# KiCad board motordecoder2-k3066v3-p.kicad_pcb (continued)
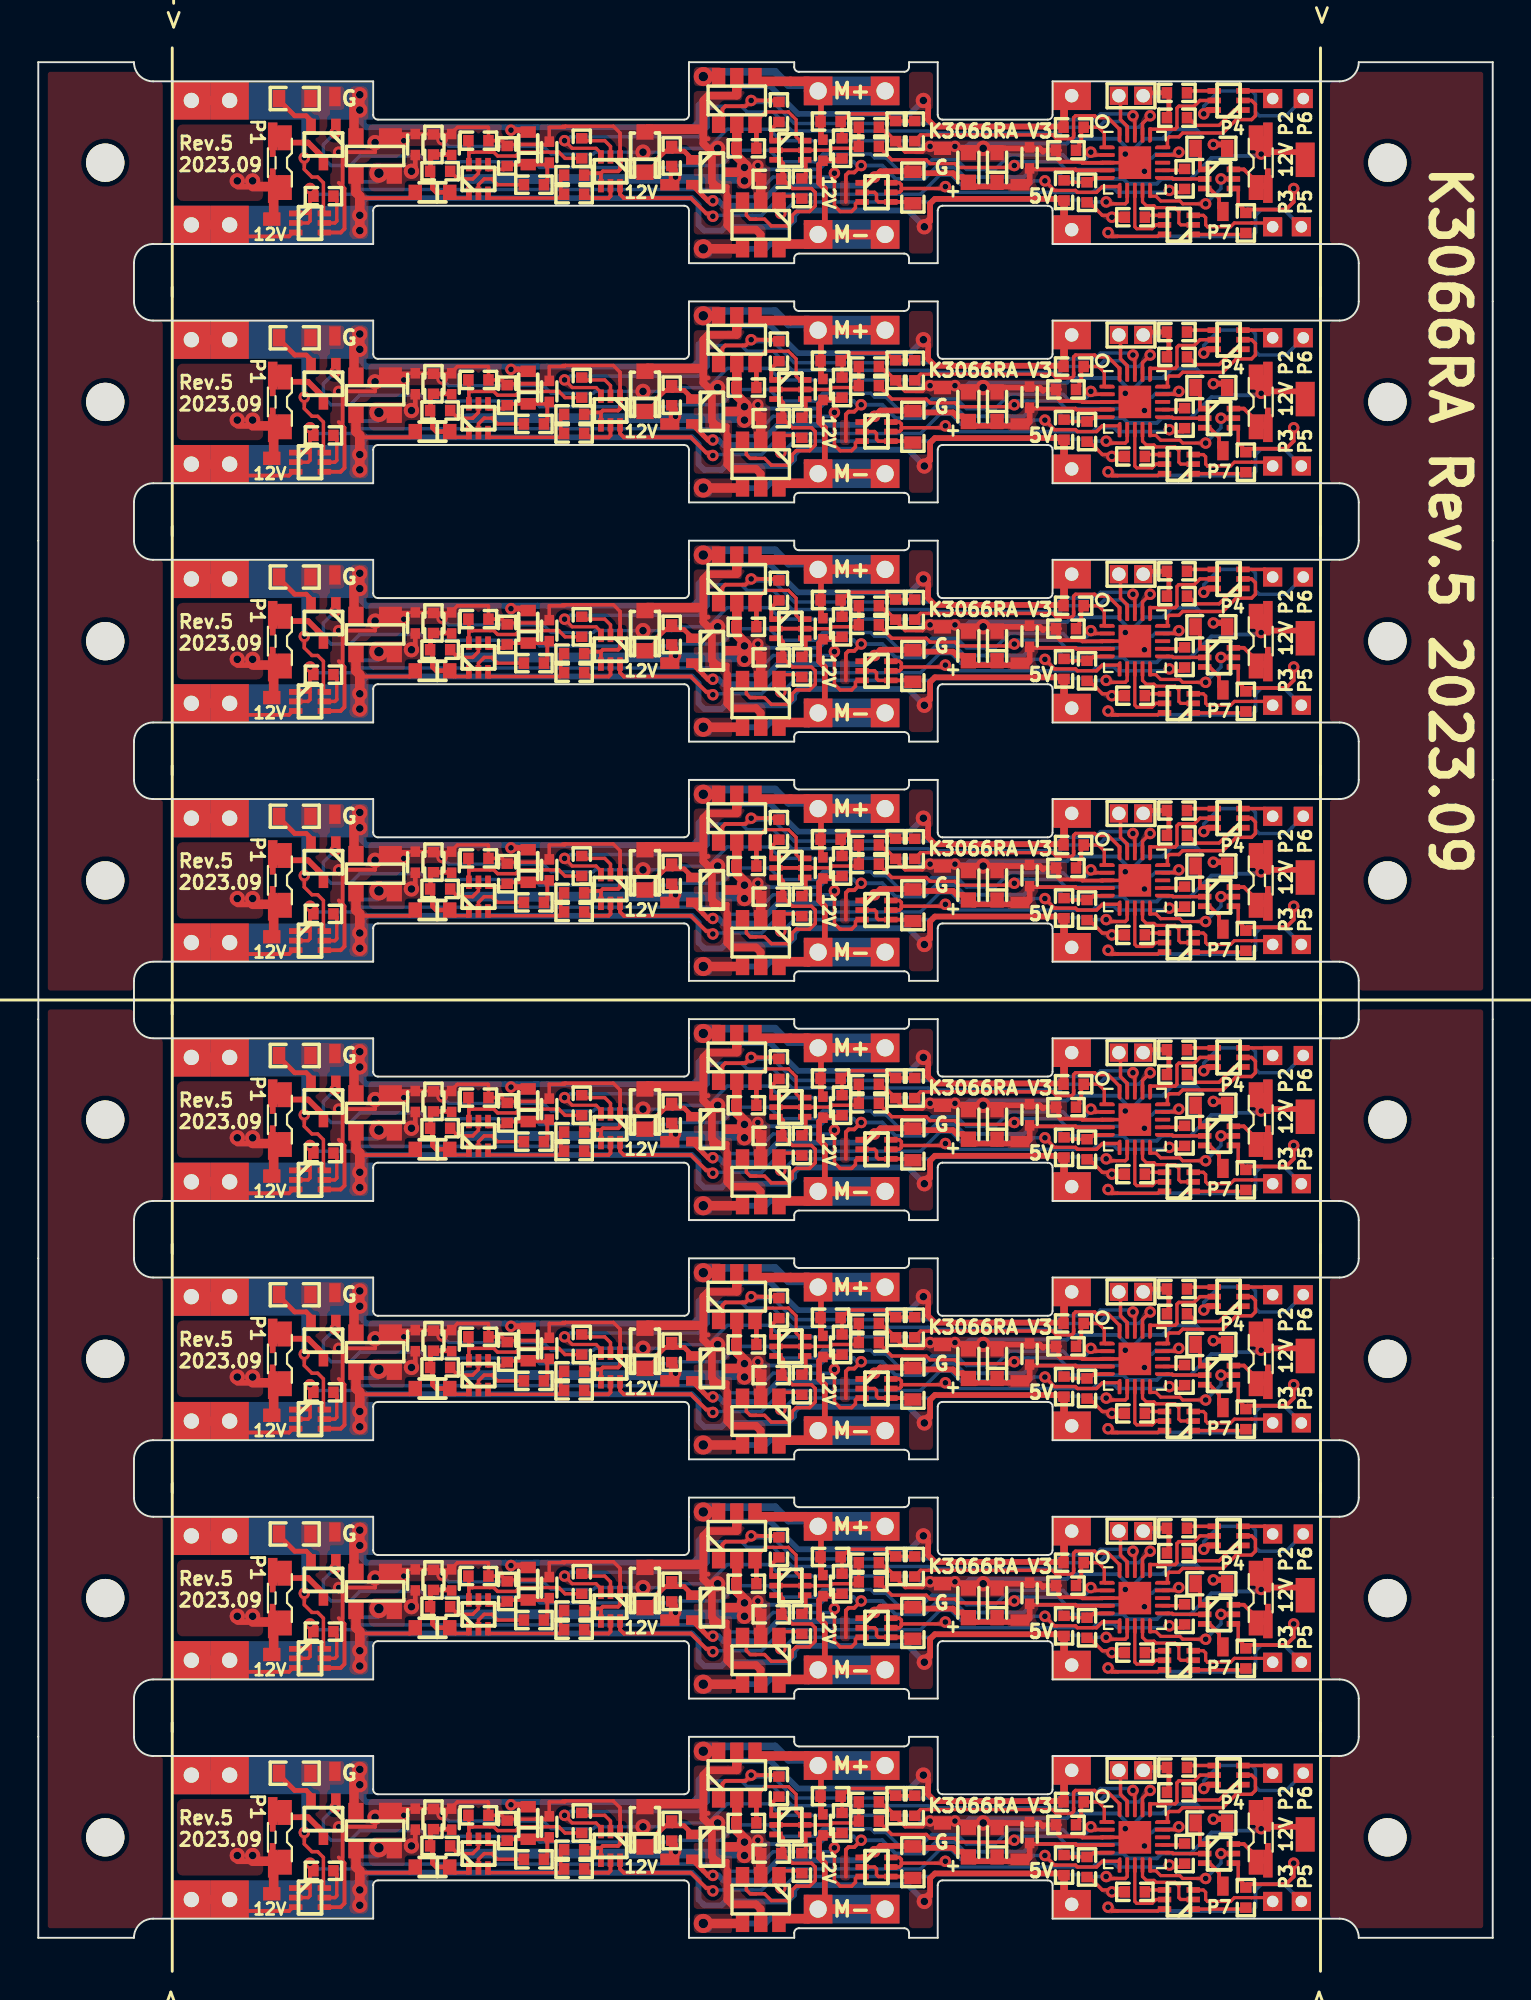
[diagram p0: board, top side]
## Routing (per net, layer and track width the routed paths; a pad name or vN(x,y) marks a point on that pad's centre or on a via; arc(x,y) is an arc through that point) (continued)
  Top w0.2: 15.55,44.85 15.55,44.25 15.5,44.2 ; 15.55,57.35 15.55,56.75 15.5,56.7 ; 15.55,19.85 15.55,19.25 15.5,19.2 ; 15.5,6.7 15.55,6.75 15.55,7.35 ; 15.5,31.7 15.55,31.75 15.55,32.35 ; 15.5,94.2 15.55,94.25 15.55,94.85 ; 15.55,69.85 15.55,69.25 15.5,69.2 ; 15.5,81.7 15.55,81.75 15.55,82.35
  Bottom w0.18: 55.1,55.8 54.6,55.3 53.9,55.3 53.55,55.65 50.75,55.65 50,54.9 48.5,54.9 48,55.4 46.7,55.4 46.1,54.8 45,54.8 44.3,55.5 43.7,55.5 43.5,55.7 41,55.7 40.6,55.3 38.8,55.3 38.2,55.9 36.5,55.9 35.7,55.1 33,55.1 32.9,55 26.2,55 25.9,55.3 20.3,55.3 20,55.6 16.8,55.6 16.3,55.1 15.3,55.1 14.9,55.5 14.9,56.2 v3(15.5,56.8) ; 55.1,68.3 54.6,67.8 53.9,67.8 53.55,68.15 50.75,68.15 50,67.4 48.5,67.4 48,67.9 46.7,67.9 46.1,67.3 45,67.3 44.3,68 43.7,68 43.5,68.2 41,68.2 40.6,67.8 38.8,67.8 38.2,68.4 36.5,68.4 35.7,67.6 33,67.6 32.9,67.5 26.2,67.5 25.9,67.8 20.3,67.8 20,68.1 16.8,68.1 16.3,67.6 15.3,67.6 14.9,68 14.9,68.7 v3(15.5,69.3) ; v3(15.5,6.8) 14.9,6.2 14.9,5.5 15.3,5.1 16.3,5.1 16.8,5.6 20,5.6 20.3,5.3 25.9,5.3 26.2,5 32.9,5 33,5.1 35.7,5.1 36.5,5.9 38.2,5.9 38.8,5.3 40.6,5.3 41,5.7 43.5,5.7 43.7,5.5 44.3,5.5 45,4.8 46.1,4.8 46.7,5.4 48,5.4 48.5,4.9 50,4.9 50.75,5.65 53.55,5.65 53.9,5.3 54.6,5.3 55.1,5.8 ; 55.1,93.3 54.6,92.8 53.9,92.8 53.55,93.15 50.75,93.15 50,92.4 48.5,92.4 48,92.9 46.7,92.9 46.1,92.3 45,92.3 44.3,93 43.7,93 43.5,93.2 41,93.2 40.6,92.8 38.8,92.8 38.2,93.4 36.5,93.4 35.7,92.6 33,92.6 32.9,92.5 26.2,92.5 25.9,92.8 20.3,92.8 20,93.1 16.8,93.1 16.3,92.6 15.3,92.6 14.9,93 14.9,93.7 v3(15.5,94.3) ; v3(15.5,19.3) 14.9,18.7 14.9,18 15.3,17.6 16.3,17.6 16.8,18.1 20,18.1 20.3,17.8 25.9,17.8 26.2,17.5 32.9,17.5 33,17.6 35.7,17.6 36.5,18.4 38.2,18.4 38.8,17.8 40.6,17.8 41,18.2 43.5,18.2 43.7,18 44.3,18 45,17.3 46.1,17.3 46.7,17.9 48,17.9 48.5,17.4 50,17.4 50.75,18.15 53.55,18.15 53.9,17.8 54.6,17.8 55.1,18.3 ; 55.1,80.8 54.6,80.3 53.9,80.3 53.55,80.65 50.75,80.65 50,79.9 48.5,79.9 48,80.4 46.7,80.4 46.1,79.8 45,79.8 44.3,80.5 43.7,80.5 43.5,80.7 41,80.7 40.6,80.3 38.8,80.3 38.2,80.9 36.5,80.9 35.7,80.1 33,80.1 32.9,80 26.2,80 25.9,80.3 20.3,80.3 20,80.6 16.8,80.6 16.3,80.1 15.3,80.1 14.9,80.5 14.9,81.2 v3(15.5,81.8) ; 55.1,43.3 54.6,42.8 53.9,42.8 53.55,43.15 50.75,43.15 50,42.4 48.5,42.4 48,42.9 46.7,42.9 46.1,42.3 45,42.3 44.3,43 43.7,43 43.5,43.2 41,43.2 40.6,42.8 38.8,42.8 38.2,43.4 36.5,43.4 35.7,42.6 33,42.6 32.9,42.5 26.2,42.5 25.9,42.8 20.3,42.8 20,43.1 16.8,43.1 16.3,42.6 15.3,42.6 14.9,43 14.9,43.7 v3(15.5,44.3) ; v3(15.5,31.8) 14.9,31.2 14.9,30.5 15.3,30.1 16.3,30.1 16.8,30.6 20,30.6 20.3,30.3 25.9,30.3 26.2,30 32.9,30 33,30.1 35.7,30.1 36.5,30.9 38.2,30.9 38.8,30.3 40.6,30.3 41,30.7 43.5,30.7 43.7,30.5 44.3,30.5 45,29.8 46.1,29.8 46.7,30.4 48,30.4 48.5,29.9 50,29.9 50.75,30.65 53.55,30.65 53.9,30.3 54.6,30.3 55.1,30.8
Func2: length 38.9
  Top w0.18: U6.16 58.1,44.5 59.4,44.5 59.5,44.6 59.5,45.6 59.6,45.7 60.4,45.7 60.7,46 Q58.5 ; Q70.5 60.7,33.5 60.4,33.2 59.6,33.2 59.5,33.1 59.5,32.1 59.4,32 58.1,32 U7.16 ; U2.16 58.1,94.5 59.4,94.5 59.5,94.6 59.5,95.6 59.6,95.7 60.4,95.7 60.7,96 Q14.5 ; U9.16 58.1,7 59.4,7 59.5,7.1 59.5,8.1 59.6,8.2 60.4,8.2 60.7,8.5 Q94.5 ; Q34.5 60.7,71 60.4,70.7 59.6,70.7 59.5,70.6 59.5,69.6 59.4,69.5 58.1,69.5 U4.16 ; Q82.5 60.7,21 60.4,20.7 59.6,20.7 59.5,20.6 59.5,19.6 59.4,19.5 58.1,19.5 U8.16 ; U5.16 58.1,57 59.4,57 59.5,57.1 59.5,58.1 59.6,58.2 60.4,58.2 60.7,58.5 Q46.5 ; U3.16 58.1,82 59.4,82 59.5,82.1 59.5,83.1 59.6,83.2 60.4,83.2 60.7,83.5 Q20.5
Func3: length 28.6
  Top w0.17: U4.8 57.3,64.4 57.4,64.3 58.2,64.3 58.4,64.5 Q33.5 ; Q57.5 58.4,39.5 58.2,39.3 57.4,39.3 57.3,39.4 U6.8 ; U5.8 57.3,51.9 57.4,51.8 58.2,51.8 58.4,52 Q45.5 ; U8.8 57.3,14.4 57.4,14.3 58.2,14.3 58.4,14.5 Q81.5 ; Q93.5 58.4,2 58.2,1.8 57.4,1.8 57.3,1.9 U9.8 ; U3.8 57.3,76.9 57.4,76.8 58.2,76.8 58.4,77 Q19.5 ; Q13.5 58.4,89.5 58.2,89.3 57.4,89.3 57.3,89.4 U2.8 ; U7.8 57.3,26.9 57.4,26.8 58.2,26.8 58.4,27 Q69.5
Func4: length 16.2
  Top w0.18: Q32.2 59.3,66.9 59.25,66.95 58.95,66.95 ; 58.95,79.45 59.25,79.45 59.3,79.4 Q18.2 ; Q80.2 59.3,16.9 59.25,16.95 58.95,16.95 ; 58.95,29.45 59.25,29.45 59.3,29.4 Q68.2 ; Q44.2 59.3,54.4 59.25,54.45 58.95,54.45 ; 58.95,91.95 59.25,91.95 59.3,91.9 Q12.2 ; Q92.2 59.3,4.4 59.25,4.45 58.95,4.45 ; 58.95,41.95 59.25,41.95 59.3,41.9 Q56.2
Func5: length 32.8
  Top w0.17: U4.9 57.7,65.7 57.9,65.5 58.3,65.5 58.4,65.4 59.4,65.4 59.6,65.2 59.6,64.6 59.7,64.5 Q33.2 ; U9.9 57.7,3.2 57.9,3 58.3,3 58.4,2.9 59.4,2.9 59.6,2.7 59.6,2.1 59.7,2 Q93.2 ; Q45.2 59.7,52 59.6,52.1 59.6,52.7 59.4,52.9 58.4,52.9 58.3,53 57.9,53 57.7,53.2 U5.9 ; Q13.2 59.7,89.5 59.6,89.6 59.6,90.2 59.4,90.4 58.4,90.4 58.3,90.5 57.9,90.5 57.7,90.7 U2.9 ; Q81.2 59.7,14.5 59.6,14.6 59.6,15.2 59.4,15.4 58.4,15.4 58.3,15.5 57.9,15.5 57.7,15.7 U8.9 ; U6.9 57.7,40.7 57.9,40.5 58.3,40.5 58.4,40.4 59.4,40.4 59.6,40.2 59.6,39.6 59.7,39.5 Q57.2 ; Q69.2 59.7,27 59.6,27.1 59.6,27.7 59.4,27.9 58.4,27.9 58.3,28 57.9,28 57.7,28.2 U7.9 ; Q19.2 59.7,77 59.6,77.1 59.6,77.7 59.4,77.9 58.4,77.9 58.3,78 57.9,78 57.7,78.2 U3.9
Func6: length 56.8
  Top w0.18: U6.15 58.95,43.55 59,43.6 59,44 59.1,44.1 59.6,44.1 59.8,44.3 61.9,44.3 62.6,45 63.4,45 63.6,45.2 63.6,45.8 63.4,46 Q58.2 ; Q14.2 63.4,96 63.6,95.8 63.6,95.2 63.4,95 62.6,95 61.9,94.3 59.8,94.3 59.6,94.1 59.1,94.1 59,94 59,93.6 58.95,93.55 U2.15 ; Q82.2 63.4,21 63.6,20.8 63.6,20.2 63.4,20 62.6,20 61.9,19.3 59.8,19.3 59.6,19.1 59.1,19.1 59,19 59,18.6 58.95,18.55 U8.15 ; U5.15 58.95,56.05 59,56.1 59,56.5 59.1,56.6 59.6,56.6 59.8,56.8 61.9,56.8 62.6,57.5 63.4,57.5 63.6,57.7 63.6,58.3 63.4,58.5 Q46.2 ; U9.15 58.95,6.05 59,6.1 59,6.5 59.1,6.6 59.6,6.6 59.8,6.8 61.9,6.8 62.6,7.5 63.4,7.5 63.6,7.7 63.6,8.3 63.4,8.5 Q94.2 ; Q34.2 63.4,71 63.6,70.8 63.6,70.2 63.4,70 62.6,70 61.9,69.3 59.8,69.3 59.6,69.1 59.1,69.1 59,69 59,68.6 58.95,68.55 U4.15 ; U7.15 58.95,31.05 59,31.1 59,31.5 59.1,31.6 59.6,31.6 59.8,31.8 61.9,31.8 62.6,32.5 63.4,32.5 63.6,32.7 63.6,33.3 63.4,33.5 Q70.2 ; Q20.2 63.4,83.5 63.6,83.3 63.6,82.7 63.4,82.5 62.6,82.5 61.9,81.8 59.8,81.8 59.6,81.6 59.1,81.6 59,81.5 59,81.1 58.95,81.05 U3.15
Func7: length 47.6
  Top w0.17: 58.1,91.5 58.1,91 58.4,91 58.65,90.75 59.65,90.75 59.8,90.6 v3(61,90.6) ; v3(61,3.1) 59.8,3.1 59.65,3.25 58.65,3.25 58.4,3.5 58.1,3.5 58.1,4 ; v3(61,78.1) 59.8,78.1 59.65,78.25 58.65,78.25 58.4,78.5 58.1,78.5 58.1,79 ; v3(61,53.1) 59.8,53.1 59.65,53.25 58.65,53.25 58.4,53.5 58.1,53.5 58.1,54 ; v3(61,40.6) 59.8,40.6 59.65,40.75 58.65,40.75 58.4,41 58.1,41 58.1,41.5 ; 58.1,66.5 58.1,66 58.4,66 58.65,65.75 59.65,65.75 59.8,65.6 v3(61,65.6) ; v3(61,15.6) 59.8,15.6 59.65,15.75 58.65,15.75 58.4,16 58.1,16 58.1,16.5 ; 58.1,29 58.1,28.5 58.4,28.5 58.65,28.25 59.65,28.25 59.8,28.1 v3(61,28.1)
  Top w0.18: Q12.5 v3(61.8,91.9) ; Q56.5 v3(61.8,41.9) ; Q18.5 v3(61.8,79.4) ; Q80.5 v3(61.8,16.9) ; Q32.5 v3(61.8,66.9) ; Q44.5 v3(61.8,54.4) ; Q92.5 v3(61.8,4.4) ; Q68.5 v3(61.8,29.4)
  Bottom w0.18: 61.1,40.5 61.1,40.6 ; v3(61.8,79.4) 61.8,78.9 v3(61,78.1) ; 61.1,28 61.1,28.1 ; 61.1,15.5 61.1,15.6 ; v3(61.8,66.9) 61.8,66.4 v3(61,65.6) ; v3(61.8,54.4) 61.8,53.9 v3(61,53.1) ; v3(61,15.6) 61.8,16.4 v3(61.8,16.9) ; v3(61,90.6) 61.8,91.4 v3(61.8,91.9) ; v3(61,28.1) 61.8,28.9 v3(61.8,29.4) ; 61.1,3 61.1,3.1 ; 61.1,65.5 61.1,65.6 ; v3(61.8,4.4) 61.8,3.9 v3(61,3.1) ; v3(61,40.6) 61.8,41.4 v3(61.8,41.9) ; 61.1,78 61.1,78.1 ; 61.1,53 61.1,53.1 ; 61.1,90.5 61.1,90.6
FWD: length 173.7
  Top w0.18: 38.7,52.68 Q38.1 38.7,53.3 38.9,53.5 39.78,53.5 R102.2 ; U4.7 56.9,65.7 56.8,65.6 55.9,65.6 v3(55.8,65.7) ; v3(55.8,40.7) 55.9,40.6 56.8,40.6 56.9,40.7 U6.7 ; R134.2 39.78,41 38.9,41 38.7,40.8 Q50.1 38.7,40.18 ; U7.7 56.9,28.2 56.8,28.1 55.9,28.1 v3(55.8,28.2) ; 38.7,27.68 Q62.1 38.7,28.3 38.9,28.5 39.78,28.5 R166.2 ; R30.2 39.78,78.5 38.9,78.5 38.7,78.3 Q7.1 38.7,77.68 ; R198.2 39.78,16 38.9,16 38.7,15.8 Q74.1 38.7,15.18 ; v3(55.8,90.7) 55.9,90.6 56.8,90.6 56.9,90.7 U2.7 ; 38.7,90.18 Q2.1 38.7,90.8 38.9,91 39.78,91 R6.2 ; R230.2 39.78,3.5 38.9,3.5 38.7,3.3 Q86.1 38.7,2.68 ; U8.7 56.9,15.7 56.8,15.6 55.9,15.6 v3(55.8,15.7) ; U5.7 56.9,53.2 56.8,53.1 55.9,53.1 v3(55.8,53.2) ; U9.7 56.9,3.2 56.8,3.1 55.9,3.1 v3(55.8,3.2) ; v3(55.8,78.2) 55.9,78.1 56.8,78.1 56.9,78.2 U3.7 ; 38.7,65.18 Q26.1 38.7,65.8 38.9,66 39.78,66 R70.2
  Top w0.5: v3(38.8,40.1) 38.8,40.6 Q50.1 ; Q74.1 38.8,15.6 v3(38.8,15.1) ; Q62.1 38.8,28.1 v3(38.8,27.6) ; v3(38.8,90.1) 38.8,90.6 Q2.1 ; v3(38.8,65.1) 38.8,65.6 Q26.1 ; Q38.1 38.8,53.1 v3(38.8,52.6) ; v3(38.8,2.6) 38.8,3.1 Q86.1 ; v3(38.8,77.6) 38.8,78.1 Q7.1
  Bottom w0.18: v3(38.8,27.6) 38.9,27.6 39.5,28.2 46.6,28.2 46.7,28.3 54.7,28.3 54.8,28.2 v3(55.8,28.2) ; v3(55.8,15.7) 54.8,15.7 54.7,15.8 46.7,15.8 46.6,15.7 39.5,15.7 38.9,15.1 v3(38.8,15.1) ; v3(38.8,40.1) 38.9,40.1 39.5,40.7 46.6,40.7 46.7,40.8 54.7,40.8 54.8,40.7 v3(55.8,40.7) ; v3(38.8,65.1) 38.9,65.1 39.5,65.7 46.6,65.7 46.7,65.8 54.7,65.8 54.8,65.7 v3(55.8,65.7) ; v3(55.8,78.2) 54.8,78.2 54.7,78.3 46.7,78.3 46.6,78.2 39.5,78.2 38.9,77.6 v3(38.8,77.6) ; v3(55.8,3.2) 54.8,3.2 54.7,3.3 46.7,3.3 46.6,3.2 39.5,3.2 38.9,2.6 v3(38.8,2.6) ; v3(38.8,90.1) 38.9,90.1 39.5,90.7 46.6,90.7 46.7,90.8 54.7,90.8 54.8,90.7 v3(55.8,90.7) ; v3(38.8,52.6) 38.9,52.6 39.5,53.2 46.6,53.2 46.7,53.3 54.7,53.3 54.8,53.2 v3(55.8,53.2)
MOTOR+: length 190.3
  Top w0.3: 40.9,69.4 40.9,71.35 P27.1 40.68,71.42 ; 40.9,69.4 40.9,69.88 R73.2 ; 40.9,69.4 40.9,69.05 C19.1 ; 40.9,6.9 40.9,6.55 C54.1 ; 40.9,6.9 40.9,8.85 P82.1 40.68,8.93 ; 40.9,6.9 40.9,7.38 R233.2 ; 40.9,94.4 40.9,96.35 P5.1 40.68,96.42 ; 40.9,94.4 40.9,94.05 C7.1 ; 40.9,94.4 40.9,94.88 R9.2 ; 40.9,56.9 40.9,57.38 R105.2 ; 40.9,56.9 40.9,56.55 C26.1 ; 40.9,56.9 40.9,58.85 P38.1 40.68,58.92 ; 40.9,81.9 40.9,82.38 R41.2 ; 40.9,81.9 40.9,83.85 P16.1 40.68,83.92 ; 40.9,81.9 40.9,81.55 C10.1 ; R201.2 40.9,19.88 40.9,19.4 ; 43.75,58.5 P38.1 44.75,58.5 ; 43.75,33.5 P60.1 44.75,33.5 ; R137.2 40.9,44.88 40.9,44.4 ; 40.9,19.4 40.9,19.05 C47.1 ; 40.9,19.4 40.9,21.35 P71.1 40.68,21.42 ; 44.75,21 P71.1 43.75,21 ; 40.9,44.4 40.9,46.35 P49.1 40.68,46.42 ; 40.9,44.4 40.9,44.05 C33.1 ; 44.75,46 P49.1 43.75,46 ; 40.9,31.9 40.9,33.85 P60.1 40.68,33.92 ; 40.9,31.9 40.9,32.38 R169.2 ; 40.9,31.9 40.9,31.55 C40.1 ; 43.75,83.5 P16.1 44.75,83.5 ; 44.75,8.5 P82.1 43.75,8.5 ; 44.75,71 P27.1 43.75,71 ; 44.75,96 P5.1 43.75,96
  Top w0.4: 34.8,34.7 v1(34.75,34.75) ; 34.8,22.2 v1(34.75,22.25) ; 34.8,59.7 v1(34.75,59.75) ; 34.8,47.2 v1(34.75,47.25) ; 34.8,97.2 v1(34.75,97.25) ; 34.8,9.7 v1(34.75,9.75) ; 34.8,84.7 v1(34.75,84.75) ; 34.8,72.2 v1(34.75,72.25)
  Top w0.5: Q85.6 35.5,9.75 v1(34.75,9.75) ; Q73.4 37.65,22 40.15,22 ; P5.1 P5.1 ; P5.1 40.25,96.5 ; P5.1 40.25,97 ; P27.1 P27.1 ; P27.1 40.25,71.5 ; P27.1 40.25,72 ; v1(34.75,47.25) 35.5,47.25 Q49.6 ; Q85.4 37.65,9.5 40.15,9.5 ; 40.25,84 P16.1 ; P16.1 P16.1 ; P16.1 40.25,84.5 ; v1(34.75,97.25) 35.5,97.25 Q1.6 ; v1(34.75,22.25) 35.5,22.25 Q73.6 ; P38.1 P38.1 ; P38.1 40.25,59 ; P38.1 40.25,59.5 ; Q61.6 35.5,34.75 v1(34.75,34.75) ; Q37.4 37.65,59.5 40.15,59.5 ; P49.1 P49.1 ; 40.25,9 P82.1 ; P82.1 40.25,9.5 ; P82.1 P82.1 ; P71.1 P71.1 ; P71.1 40.25,22 ; P71.1 40.25,21.5 ; Q1.4 37.65,97 40.15,97 ; P49.1 40.25,47 ; P49.1 40.25,46.5 ; P60.1 P60.1 ; Q25.4 37.65,72 40.15,72 ; 40.15,34.5 37.65,34.5 Q61.4 ; Q37.6 35.5,59.75 v1(34.75,59.75) ; v1(34.75,84.75) 35.5,84.75 Q4.6 ; 40.25,34 P60.1 ; P60.1 40.25,34.5 ; Q4.4 37.65,84.5 40.15,84.5 ; 40.15,47 37.65,47 Q49.4 ; v1(34.75,72.25) 35.5,72.25 Q25.6
  Bottom w0.4: v1(34.75,34.75) 35,35 38.5,35 39.2,34.3 40.45,34.3 P60.1 40.25,34.5 ; 40.25,47 P49.1 40.45,46.8 39.2,46.8 38.5,47.5 35,47.5 v1(34.75,47.25) ; v1(34.75,59.75) 35,60 38.5,60 39.2,59.3 40.45,59.3 P38.1 40.25,59.5 ; 40.25,84.5 P16.1 40.45,84.3 39.2,84.3 38.5,85 35,85 v1(34.75,84.75) ; v1(34.75,9.75) 35,10 38.5,10 39.2,9.3 40.45,9.3 P82.1 40.25,9.5 ; 40.25,22 P71.1 40.45,21.8 39.2,21.8 38.5,22.5 35,22.5 v1(34.75,22.25) ; v1(34.75,97.25) 35,97.5 38.5,97.5 39.2,96.8 40.45,96.8 P5.1 40.25,97 ; v1(34.75,72.25) 35,72.5 38.5,72.5 39.2,71.8 40.45,71.8 P27.1 40.25,72
  Bottom w0.5: P5.1 P5.1 P5.1 ; P16.1 P16.1 P16.1 ; P82.1 P82.1 P82.1 ; P38.1 P38.1 P38.1 ; P60.1 P60.1 P60.1 ; P49.1 P49.1 P49.1 ; P27.1 P27.1 P27.1 ; P71.1 P71.1 P71.1
MOTOR-: length 237.2
  Top w0.3: 41,1.75 P83.1 41.1,1.85 41.1,3.9 40.8,4.2 40.8,5.15 C54.2 ; 44.5,89.25 P6.1 ; P6.1 44.8,88.45 ; P6.1 44.75,88.5 ; P6.1 44.75,89.5 ; 44.8,13.45 P72.1 ; P72.1 44.75,14.5 ; P72.1 44.75,13.5 ; P72.1 44.5,14.25 ; 41,30.38 41.9,30.38 R170.2 ; 44.75,52 P39.1 ; P39.1 44.75,51 ; P39.1 44.5,51.75 ; P39.1 44.8,50.95 ; R138.2 41.9,42.88 41,42.88 ; C47.2 40.8,17.65 40.8,16.7 41.1,16.4 41.1,14.35 P72.1 41,14.25 ; P83.1 44.75,1 ; P83.1 44.75,2 ; P83.1 44.8,0.95 ; P83.1 44.5,1.75 ; C19.2 40.8,67.65 40.8,66.7 41.1,66.4 41.1,64.35 P28.1 41,64.25 ; P17.1 44.75,76 ; P17.1 44.5,76.75 ; P17.1 44.75,77 ; P17.1 44.8,75.95 ; 44.8,25.95 P61.1 ; P61.1 44.75,27 ; P61.1 44.5,26.75 ; P61.1 44.75,26 ; 44.75,64.5 P28.1 ; P28.1 44.5,64.25 ; P28.1 44.75,63.5 ; P28.1 44.8,63.45 ; P50.1 44.75,38.5 ; P50.1 44.75,39.5 ; P50.1 44.5,39.25 ; P50.1 44.8,38.45 ; 41,76.75 P17.1 41.1,76.85 41.1,78.9 40.8,79.2 40.8,80.15 C10.2 ; 41,39.25 P50.1 41.1,39.35 41.1,41.4 40.8,41.7 40.8,42.65 C33.2 ; 41,67.88 41.9,67.88 R74.2 ; C26.2 40.8,55.15 40.8,54.2 41.1,53.9 41.1,51.85 P39.1 41,51.75 ; 41,89.25 P6.1 41.1,89.35 41.1,91.4 40.8,91.7 40.8,92.65 C7.2 ; R106.2 41.9,55.38 41,55.38 ; R10.2 41.9,92.88 41,92.88 ; R202.2 41.9,17.88 41,17.88 ; R42.2 41.9,80.38 41,80.38 ; C40.2 40.8,30.15 40.8,29.2 41.1,28.9 41.1,26.85 P61.1 41,26.75 ; R234.2 41.9,5.38 41,5.38
  Top w0.4: 40.5,39.25 P50.1 40.2,39.55 ; P28.1 43.75,64.5 ; P17.1 43.75,77 ; P39.1 43.75,52 ; 40.5,76.75 P17.1 40.2,77.05 ; P72.1 43.75,14.5 ; 40.5,1.75 P83.1 40.2,2.05 ; 40.2,64.55 P28.1 40.5,64.25 ; 40.2,89.55 P6.1 40.5,89.25 ; 40.5,51.75 P39.1 40.2,52.05 ; P6.1 43.75,89.5 ; 40.2,14.55 P72.1 40.5,14.25 ; 40.5,26.75 P61.1 40.2,27.05 ; P83.1 43.75,2 ; P61.1 43.75,27 ; P50.1 43.75,39.5
  Top w0.5: v1(34.75,63.25) 36.75,63.25 Q26.4 ; Q62.6 38.9,26 40.25,26 P61.1 P61.1 ; P17.1 P17.1 40.25,76 38.9,76 Q7.6 ; P72.1 P72.1 40.25,13.5 38.9,13.5 Q74.6 ; Q62.4 36.75,25.75 v1(34.75,25.75) ; Q26.6 38.9,63.5 40.25,63.5 P28.1 P28.1 ; Q2.6 38.9,88.5 40.25,88.5 P6.1 P6.1 ; P39.1 P39.1 40.25,51 38.9,51 Q38.6 ; v1(34.75,75.75) 36.75,75.75 Q7.4 ; P83.1 P83.1 40.25,1 38.9,1 Q86.6 ; Q74.4 36.75,13.25 v1(34.75,13.25) ; Q50.6 38.9,38.5 40.25,38.5 P50.1 P50.1 ; Q50.4 36.75,38.25 v1(34.75,38.25) ; v1(34.75,88.25) 36.75,88.25 Q2.4 ; v1(34.75,50.75) 36.75,50.75 Q38.4 ; Q86.4 36.75,0.75 v1(34.75,0.75)
  Bottom w0.3: 40.3,76 38.25,76 38,75.75 v1(34.75,75.75) ; 40.3,88.5 38.25,88.5 38,88.25 v1(34.75,88.25) ; 40.3,51 38.25,51 38,50.75 v1(34.75,50.75) ; 40.3,13.5 38.25,13.5 38,13.25 v1(34.75,13.25) ; 40.3,63.5 38.25,63.5 38,63.25 v1(34.75,63.25) ; 40.3,38.5 38.25,38.5 38,38.25 v1(34.75,38.25) ; v1(34.75,0.75) 38,0.75 38.25,1 40.3,1 ; v1(34.75,25.75) 38,25.75 38.25,26 40.3,26
  Bottom w0.4: P28.1 40.25,64 ; P28.1 P28.1 ; P28.1 P28.1 ; 35,13 v1(34.75,13.25) ; 35,88 v1(34.75,88.25) ; P17.1 P17.1 ; P17.1 40.25,76.5 ; P17.1 P17.1 ; P61.1 40.25,26.5 ; P61.1 P61.1 ; P61.1 P61.1 ; P50.1 40.25,39 ; P50.1 P50.1 ; P50.1 P50.1 ; 35,75.5 v1(34.75,75.75) ; P72.1 P72.1 ; P72.1 40.25,14 ; P72.1 P72.1 ; P39.1 40.25,51.5 ; P39.1 P39.1 ; P39.1 P39.1 ; P6.1 40.25,89 ; P6.1 P6.1 ; P6.1 P6.1 ; 35,0.5 v1(34.75,0.75) ; 35,63 v1(34.75,63.25) ; P83.1 P83.1 ; P83.1 40.25,1.5 ; P83.1 P83.1 ; 35,38 v1(34.75,38.25) ; 35,25.5 v1(34.75,25.75) ; 35,50.5 v1(34.75,50.75)
PWM: length 141
  Top w0.18: v3(59.6,30.8) 59.45,30.65 U7.14 ; 43.93,68.4 44.1,68.4 44.6,67.9 46.4,67.9 46.6,67.7 47.9,67.7 48.1,67.5 50.9,67.5 v3(51,67.6) ; U2.14 59.45,93.15 v3(59.6,93.3) ; 43.93,93.4 44.1,93.4 44.6,92.9 46.4,92.9 46.6,92.7 47.9,92.7 48.1,92.5 50.9,92.5 v3(51,92.6) ; v3(51,80.1) 50.9,80 48.1,80 47.9,80.2 46.6,80.2 46.4,80.4 44.6,80.4 44.1,80.9 43.93,80.9 ; v3(51,30.1) 50.9,30 48.1,30 47.9,30.2 46.6,30.2 46.4,30.4 44.6,30.4 44.1,30.9 43.93,30.9 ; v3(51,55.1) 50.9,55 48.1,55 47.9,55.2 46.6,55.2 46.4,55.4 44.6,55.4 44.1,55.9 43.93,55.9 ; U3.14 59.45,80.65 v3(59.6,80.8) ; v3(59.6,55.8) 59.45,55.65 U5.14 ; 43.93,5.9 44.1,5.9 44.6,5.4 46.4,5.4 46.6,5.2 47.9,5.2 48.1,5 50.9,5 v3(51,5.1) ; 43.93,43.4 44.1,43.4 44.6,42.9 46.4,42.9 46.6,42.7 47.9,42.7 48.1,42.5 50.9,42.5 v3(51,42.6) ; v3(59.6,68.3) 59.45,68.15 U4.14 ; v3(59.6,5.8) 59.45,5.65 U9.14 ; v3(51,17.6) 50.9,17.5 48.1,17.5 47.9,17.7 46.6,17.7 46.4,17.9 44.6,17.9 44.1,18.4 43.93,18.4 ; U6.14 59.45,43.15 v3(59.6,43.3) ; v3(59.6,18.3) 59.45,18.15 U8.14
  Bottom w0.18: v3(51,30.1) 51.2,30.3 53.3,30.3 53.7,29.9 57,29.9 57.6,30.5 58.2,30.5 58.4,30.7 59.5,30.7 v3(59.6,30.8) ; v3(51,42.6) 51.2,42.8 53.3,42.8 53.7,42.4 57,42.4 57.6,43 58.2,43 58.4,43.2 59.5,43.2 v3(59.6,43.3) ; v3(51,92.6) 51.2,92.8 53.3,92.8 53.7,92.4 57,92.4 57.6,93 58.2,93 58.4,93.2 59.5,93.2 v3(59.6,93.3) ; v3(51,5.1) 51.2,5.3 53.3,5.3 53.7,4.9 57,4.9 57.6,5.5 58.2,5.5 58.4,5.7 59.5,5.7 v3(59.6,5.8) ; v3(51,67.6) 51.2,67.8 53.3,67.8 53.7,67.4 57,67.4 57.6,68 58.2,68 58.4,68.2 59.5,68.2 v3(59.6,68.3) ; v3(51,80.1) 51.2,80.3 53.3,80.3 53.7,79.9 57,79.9 57.6,80.5 58.2,80.5 58.4,80.7 59.5,80.7 v3(59.6,80.8) ; v3(59.6,18.3) 59.5,18.2 58.4,18.2 58.2,18 57.6,18 57,17.4 53.7,17.4 53.3,17.8 51.2,17.8 v3(51,17.6) ; v3(51,55.1) 51.2,55.3 53.3,55.3 53.7,54.9 57,54.9 57.6,55.5 58.2,55.5 58.4,55.7 59.5,55.7 v3(59.6,55.8)
RAIL+: length 512.6
  Top w0.18: Q16.6 14.95,77.65 14.9,77.7 14.9,79.2 14.6,79.5 14.3,79.5 13.9,79.9 v3(13.9,80.5) ; Q42.6 14.95,52.65 14.9,52.7 14.9,54.2 14.6,54.5 14.3,54.5 13.9,54.9 v3(13.9,55.5) ; v3(13.9,5.5) 13.9,4.9 14.3,4.5 14.6,4.5 14.9,4.2 14.9,2.7 14.95,2.65 Q90.6 ; Q66.6 14.95,27.65 14.9,27.7 14.9,29.2 14.6,29.5 14.3,29.5 13.9,29.9 v3(13.9,30.5) ; v3(13.9,43) 13.9,42.4 14.3,42 14.6,42 14.9,41.7 14.9,40.2 14.95,40.15 Q54.6 ; Q8.6 14.95,90.15 14.9,90.2 14.9,91.7 14.6,92 14.3,92 13.9,92.4 v3(13.9,93) ; Q30.6 14.95,65.15 14.9,65.2 14.9,66.7 14.6,67 14.3,67 13.9,67.4 v3(13.9,68) ; Q78.6 14.95,15.15 14.9,15.2 14.9,16.7 14.6,17 14.3,17 13.9,17.4 v3(13.9,18)
  Top w0.3: D41.2 25.5,19.45 v3(24.7,19.45) ; v2(46.25,71) 46.5,70.75 46.5,70.4 46.5,70.4 46.5,70 46.85,69.64 53.51,69.64 53.6,69.72 ; D23.2 25.5,81.95 v3(24.7,81.95) ; v3(24.7,6.95) 25.5,6.95 D47.2 ; D35.2 25.5,31.95 v3(24.7,31.95) ; D29.2 25.5,44.45 v3(24.7,44.45) ; v2(46.25,58.5) 46.5,58.25 46.5,57.9 46.5,57.9 46.5,57.5 46.85,57.14 53.51,57.14 53.6,57.22 ; 53.6,82.22 53.51,82.14 46.85,82.14 46.5,82.5 46.5,82.9 46.5,82.9 46.5,83.25 v2(46.25,83.5) ; v2(46.25,21) 46.5,20.75 46.5,20.4 46.5,20.4 46.5,20 46.85,19.64 53.51,19.64 53.6,19.72 ; 53.6,94.72 53.51,94.64 46.85,94.64 46.5,95 46.5,95.4 46.5,95.4 46.5,95.75 v2(46.25,96) ; D21.2 25.5,94.45 v3(24.7,94.45) ; D27.2 25.5,56.95 v3(24.7,56.95) ; 53.6,7.22 53.51,7.14 46.85,7.14 46.5,7.5 46.5,7.9 46.5,7.9 46.5,8.25 v2(46.25,8.5) ; v2(46.25,46) 46.5,45.75 46.5,45.4 46.5,45.4 46.5,45 46.85,44.64 53.51,44.64 53.6,44.72 ; v3(24.7,69.45) 25.5,69.45 D25.2 ; 53.6,32.22 53.51,32.14 46.85,32.14 46.5,32.5 46.5,32.9 46.5,32.9 46.5,33.25 v2(46.25,33.5)
  Top w0.4: P2.1 53.6,95.85 53.6,94.72 ; 53.6,69.72 53.6,70.85 P24.1 ; P68.1 53.6,20.85 53.6,19.72 ; P79.1 53.6,8.35 53.6,7.22 ; 53.6,32.22 53.6,33.35 P57.1 ; 53.6,57.22 53.6,58.35 P35.1 ; 53.6,82.22 53.6,83.35 P13.1 ; 53.6,44.72 53.6,45.85 P46.1
  Top w0.5: 10.25,83.75 P12.1 ; P12.1 10.5,84 ; P12.1 P12.1 ; v2(16.8,83) v2(16.8,83.8) ; P78.1 10.5,9 ; P78.1 P78.1 ; P78.1 10.25,8.75 ; P56.1 P56.1 ; P56.1 10.5,34 ; P56.1 10.25,33.75 ; v2(16.8,95.5) v2(16.8,96.3) ; 16.5,19.3 16.5,20.8 ; P67.1 P67.1 ; P67.1 10.25,21.25 ; P67.1 10.5,21.5 ; 10.25,58.75 P34.1 ; P34.1 P34.1 ; P34.1 10.5,59 ; 10.25,96.25 P1.1 ; P1.1 10.5,96.5 ; P1.1 P1.1 ; v2(16.8,33) v2(16.8,33.8) ; v2(16.8,8) v2(16.8,8.8) ; P45.1 10.5,46.5 ; P45.1 10.25,46.25 ; P45.1 P45.1 ; 16.5,94.3 16.5,95.8 ; v2(16.8,58) v2(16.8,58.8) ; 16.5,69.3 16.5,70.8 ; 16.5,81.8 16.5,83.3 ; v2(16.8,20.5) v2(16.8,21.3) ; v2(16.8,70.5) v2(16.8,71.3) ; P23.1 10.5,71.5 ; P23.1 10.25,71.25 ; P23.1 P23.1 ; 16.5,56.8 16.5,58.3 ; 16.5,6.8 16.5,8.3 ; v2(16.8,45.5) v2(16.8,46.3) ; 16.5,31.8 16.5,33.3 ; 16.5,44.3 16.5,45.8
  Bottom w0.2: 24.9,31.95 25.05,32.1 ; 24.9,44.45 25.05,44.6 ; 24.85,31.95 v3(24.7,31.95) 24.55,31.95 ; 24.9,69.45 25.05,69.6 ; 24.55,6.95 v3(24.7,6.95) 24.85,6.95 ; 24.9,19.45 25.05,19.6 ; 24.85,56.95 v3(24.7,56.95) 24.55,56.95 ; 24.5,56.95 24.35,57.1 ; 24.85,81.95 v3(24.7,81.95) 24.55,81.95 ; 24.85,19.45 v3(24.7,19.45) 24.55,19.45 ; 24.85,44.45 v3(24.7,44.45) 24.55,44.45 ; 24.5,81.95 24.35,82.1 ; 24.5,19.45 24.35,19.6 ; 24.55,94.45 v3(24.7,94.45) 24.85,94.45 ; 24.85,69.45 v3(24.7,69.45) 24.55,69.45 ; 24.9,81.95 25.05,82.1 ; 24.5,6.95 24.35,7.1 ; 24.5,94.45 24.35,94.6 ; 24.9,6.95 25.05,7.1 ; 24.5,44.45 24.35,44.6 ; 24.9,56.95 25.05,57.1 ; 24.5,31.95 24.35,32.1 ; 24.9,94.45 25.05,94.6 ; 24.5,69.45 24.35,69.6
  Bottom w0.3: 15.75,33.5 17.15,32.1 26.1,32.1 ; v3(13.9,80.5) 13.9,83.15 P12.1 ; 26.1,94.6 25.89,94.6 ; 26.1,94.6 17.15,94.6 15.75,96 ; 26.1,94.6 34.2,94.6 34.5,94.9 34.5,95.75 35,96.25 36.25,96.25 36.75,96.75 38.25,96.75 39.7,95.3 45.55,95.3 v2(46.25,96) ; 26.1,7.1 25.89,7.1 ; 26.1,7.1 17.15,7.1 15.75,8.5 ; 26.1,7.1 34.2,7.1 34.5,7.4 34.5,8.25 35,8.75 36.25,8.75 36.75,9.25 38.25,9.25 39.7,7.8 45.55,7.8 v2(46.25,8.5) ; 15.75,46 17.15,44.6 26.1,44.6 ; 14.5,83.5 16.49,83.5 ; v3(13.9,30.5) 13.9,33.15 P56.1 ; 26.1,19.6 17.15,19.6 15.75,21 ; 26.1,19.6 34.2,19.6 34.5,19.9 34.5,20.75 35,21.25 36.25,21.25 36.75,21.75 38.25,21.75 39.7,20.3 45.55,20.3 v2(46.25,21) ; 26.1,19.6 25.89,19.6 ; 26.1,44.6 25.89,44.6 ; 26.1,44.6 34.2,44.6 34.5,44.9 34.5,45.75 35,46.25 36.25,46.25 36.75,46.75 38.25,46.75 39.7,45.3 45.55,45.3 v2(46.25,46) ; 17,44.75 17,45 ; v3(13.9,93) 13.9,95.65 P1.1 ; 26.1,57.1 25.89,57.1 ; 26.1,57.1 34.2,57.1 34.5,57.4 34.5,58.25 35,58.75 36.25,58.75 36.75,59.25 38.25,59.25 39.7,57.8 45.55,57.8 v2(46.25,58.5) ; 26.1,57.1 17.15,57.1 15.75,58.5 ; 14.5,33.5 16.49,33.5 ; 26.1,69.6 34.2,69.6 34.5,69.9 34.5,70.75 35,71.25 36.25,71.25 36.75,71.75 38.25,71.75 39.7,70.3 45.55,70.3 v2(46.25,71) ; 26.1,69.6 17.15,69.6 15.75,71 ; 26.1,69.6 25.89,69.6 ; v2(46.25,33.5) 45.55,32.8 39.7,32.8 38.25,34.25 36.75,34.25 36.25,33.75 35,33.75 34.5,33.25 34.5,32.4 34.2,32.1 26.1,32.1 ; 14.5,46 16.49,46 ; 14.5,21 16.49,21 ; 26.1,32.1 25.89,32.1 ; 14.5,8.5 16.49,8.5 ; 17,19.75 17,20 ; 17,82.25 17,82.5 ; 26.1,82.1 25.89,82.1 ; 26.1,82.1 17.15,82.1 15.75,83.5 ; 26.1,82.1 34.2,82.1 34.5,82.4 34.5,83.25 35,83.75 36.25,83.75 36.75,84.25 38.25,84.25 39.7,82.8 45.55,82.8 v2(46.25,83.5) ; P45.1 13.9,45.65 v3(13.9,43) ; P67.1 13.9,20.65 v3(13.9,18) ; P78.1 13.9,8.15 v3(13.9,5.5) ; P23.1 13.9,70.65 v3(13.9,68) ; 17,69.75 17,70 ; 17,57.25 17,57.5 ; 14.5,96 16.49,96 ; 17,94.75 17,95 ; P34.1 13.9,58.15 v3(13.9,55.5) ; 14.5,58.5 16.49,58.5 ; 17,7.25 17,7.5 ; 17,32.25 17,32.5 ; 14.5,71 16.49,71
  Bottom w0.5: P12.1 14.5,83.5 ; P45.1 14.5,46 ; P67.1 14.5,21 ; P23.1 14.5,71 ; P1.1 14.5,96 ; P78.1 14.5,8.5 ; P56.1 14.5,33.5 ; P34.1 14.5,58.5
RAIL-: length 519.8
  Top w0.2: 10.4,14.1 P69.1 10.6,13.9 13.1,13.9 13.3,14.1 Q78.3 ; 16.8,66 16.9,65.9 19.4,65.9 D26.2 ; 10.4,26.6 P58.1 10.6,26.4 13.1,26.4 13.3,26.6 Q66.3 ; Q30.3 13.3,64.1 13.1,63.9 10.6,63.9 P25.1 10.4,64.1 ; Q8.3 13.3,89.1 13.1,88.9 10.6,88.9 P3.1 10.4,89.1 ; Q90.3 13.3,1.6 13.1,1.4 10.6,1.4 P80.1 10.4,1.6 ; 10.4,39.1 P47.1 10.6,38.9 13.1,38.9 13.3,39.1 Q54.3 ; D36.2 19.4,28.4 16.9,28.4 16.8,28.5 ; 10.4,76.6 P14.1 10.6,76.4 13.1,76.4 13.3,76.6 Q16.3 ; 16.8,41 16.9,40.9 19.4,40.9 D30.2 ; 10.4,51.6 P36.1 10.6,51.4 13.1,51.4 13.3,51.6 Q42.3 ; D24.2 19.4,78.4 16.9,78.4 16.8,78.5 ; D48.2 19.4,3.4 16.9,3.4 16.8,3.5 ; D42.2 19.4,15.9 16.9,15.9 16.8,16 ; 16.8,91 16.9,90.9 19.4,90.9 D22.2 ; D28.2 19.4,53.4 16.9,53.4 16.8,53.5
  Top w0.3: v2(46.3,51.9) 46.6,52.2 46.6,52.85 ; 46.6,28.1 46.6,27.85 ; 46.6,27.85 46.6,27.2 v2(46.3,26.9) ; 46.6,27.85 46.6,28.11 46.85,28.36 53.51,28.36 R162.1 ; v2(46.3,76.9) 46.6,77.2 46.6,77.85 ; 46.6,65.35 46.6,64.7 v2(46.3,64.4) ; 46.6,65.35 46.6,65.61 46.85,65.86 53.51,65.86 R66.1 ; 46.6,65.35 46.6,65.6 ; 46.6,90.35 46.6,89.7 v2(46.3,89.4) ; 46.6,90.35 46.6,90.6 ; 46.6,90.35 46.6,90.61 46.85,90.86 53.51,90.86 R2.1 ; R226.1 53.51,3.36 46.85,3.36 46.6,3.11 46.6,2.85 ; 53.43,65.67 53.7,65.67 ; R20.1 53.51,78.36 46.85,78.36 46.6,78.11 46.6,77.85 ; 46.5,27.25 46.25,27 ; 46.6,77.85 46.6,78.1 ; 53.43,3.18 53.7,3.18 ; 46.6,53.1 46.6,52.85 ; 46.6,52.85 46.6,53.11 46.85,53.36 53.51,53.36 R98.1 ; 46.6,3.1 46.6,2.85 ; 46.6,2.85 46.6,2.2 v2(46.3,1.9) ; 46.6,15.35 46.6,15.61 46.85,15.86 53.51,15.86 R194.1 ; 46.6,15.35 46.6,14.7 v2(46.3,14.4) ; 46.6,15.35 46.6,15.6 ; 53.43,90.67 53.7,90.67 ; 53.43,53.17 53.7,53.17 ; R130.1 53.51,40.86 46.85,40.86 46.6,40.61 46.6,40.35 ; 46.6,40.35 46.6,40.6 ; 46.6,40.35 46.6,39.7 v2(46.3,39.4) ; 53.43,28.17 53.7,28.17 ; 53.43,78.17 53.7,78.17 ; 46.5,39.75 46.25,39.5 ; 53.43,40.67 53.7,40.67 ; 46.5,2.25 46.25,2 ; 46.5,89.75 46.25,89.5 ; 53.43,15.67 53.7,15.67 ; 46.5,14.75 46.25,14.5 ; 46.5,77.25 46.25,77 ; 46.5,52.25 46.25,52 ; 46.5,64.75 46.25,64.5
  Top w0.4: 53.6,15.7 53.6,14.58 ; 53.6,2.15 P81.1 ; 53.6,27.15 P59.1 ; 53.6,64.65 P26.1 ; 53.6,77.15 P15.1 ; 53.6,89.65 P4.1 ; 53.6,40.7 53.6,39.58 ; 53.6,3.2 53.6,2.07 ; 53.6,28.2 53.6,27.08 ; 53.6,53.2 53.6,52.08 ; 53.6,39.65 P48.1 ; 53.6,90.7 53.6,89.58 ; 53.6,78.2 53.6,77.08 ; 53.6,52.15 P37.1 ; 53.6,65.7 53.6,64.58 ; 53.6,14.65 P70.1
  Top w0.5: P47.1 10.25,39.25 ; P47.1 10.3,39.2 ; P47.1 P47.1 ; P47.1 10,39.25 10.25,39 ; P69.1 P69.1 ; P69.1 10.3,14.2 ; P69.1 10.25,14.25 ; P69.1 10,14.25 10.25,14 ; P80.1 P80.1 ; P80.1 10.25,1.75 ; P80.1 10,1.75 10.25,1.5 ; P80.1 10.3,1.7 ; 10.25,89 10,89.25 P3.1 ; D43.3 16.6,3.7 16.8,3.5 v2(16.8,2.5) v2(16.8,1.7) ; 10.3,89.2 P3.1 ; P3.1 10.25,89.25 ; P3.1 P3.1 ; P36.1 10.25,51.75 ; P36.1 10,51.75 10.25,51.5 ; P36.1 10.3,51.7 ; P36.1 P36.1 ; P58.1 P58.1 ; P58.1 10.3,26.7 ; P58.1 10.25,26.75 ; P58.1 10,26.75 10.25,26.5 ; P25.1 10.25,64.25 ; P25.1 10.3,64.2 ; P25.1 P25.1 ; P25.1 10,64.25 10.25,64 ; P14.1 P14.1 ; P14.1 10.25,76.75 ; P14.1 10.3,76.7 ; P14.1 10,76.75 10.25,76.5 ; 16.7,54.6 16.5,54.8 ; v2(16.8,64.2) v2(16.8,65) 16.8,66 16.6,66.2 D5.3 ; D9.3 16.6,41.2 16.8,41 v2(16.8,40) v2(16.8,39.2) ; D37.3 16.6,16.2 16.8,16 v2(16.8,15) v2(16.8,14.2) ; 16.7,4.6 16.5,4.8 ; 16.7,67.1 16.5,67.3 ; v2(16.8,89.2) v2(16.8,90) 16.8,91 16.6,91.2 D1.3 ; 16.7,92.1 16.5,92.3 ; D2.3 16.6,78.7 16.8,78.5 v2(16.8,77.5) v2(16.8,76.7) ; 16.7,17.1 16.5,17.3 ; 16.7,79.6 16.5,79.8 ; v2(16.8,51.7) v2(16.8,52.5) 16.8,53.5 16.6,53.7 D7.3 ; 16.7,42.1 16.5,42.3 ; 16.7,29.6 16.5,29.8 ; v2(16.8,26.7) v2(16.8,27.5) 16.8,28.5 16.6,28.7 D31.3
  Bottom w0.3: 17,15.75 17,15.5 ; 14.5,14.5 16.25,14.5 ; 17,28.25 17,28 ; 15.75,39.5 17.15,40.9 34.15,40.9 34.5,40.55 34.5,39.5 34.8,39.2 35.7,39.2 35.9,39.4 39.15,39.4 39.5,39.75 39.5,40 39.75,40.25 45.45,40.25 v2(46.3,39.4) ; 17,53.25 17,53 ; 17,65.75 17,65.5 ; 14.5,2 16.25,2 ; v2(46.3,26.9) 45.45,27.75 39.75,27.75 39.5,27.5 39.5,27.25 39.15,26.9 35.9,26.9 35.7,26.7 34.8,26.7 34.5,27 34.5,28.05 34.15,28.4 17.15,28.4 15.75,27 ; 15.75,14.5 17.15,15.9 34.15,15.9 34.5,15.55 34.5,14.5 34.8,14.2 35.7,14.2 35.9,14.4 39.15,14.4 39.5,14.75 39.5,15 39.75,15.25 45.45,15.25 v2(46.3,14.4) ; v2(46.3,51.9) 45.45,52.75 39.75,52.75 39.5,52.5 39.5,52.25 39.15,51.9 35.9,51.9 35.7,51.7 34.8,51.7 34.5,52 34.5,53.05 34.15,53.4 17.15,53.4 15.75,52 ; 15.75,89.5 17.15,90.9 34.15,90.9 34.5,90.55 34.5,89.5 34.8,89.2 35.7,89.2 35.9,89.4 39.15,89.4 39.5,89.75 39.5,90 39.75,90.25 45.45,90.25 v2(46.3,89.4) ; 17,3.25 17,3 ; 14.5,52 16.25,52 ; 15.75,2 17.15,3.4 34.15,3.4 34.5,3.05 34.5,2 34.8,1.7 35.7,1.7 35.9,1.9 39.15,1.9 39.5,2.25 39.5,2.5 39.75,2.75 45.45,2.75 v2(46.3,1.9) ; 17,90.75 17,90.5 ; v2(46.3,76.9) 45.45,77.75 39.75,77.75 39.5,77.5 39.5,77.25 39.15,76.9 35.9,76.9 35.7,76.7 34.8,76.7 34.5,77 34.5,78.05 34.15,78.4 17.15,78.4 15.75,77 ; 17,40.75 17,40.5 ; 14.5,39.5 16.25,39.5 ; 17,78.25 17,78 ; 14.5,27 16.25,27 ; 15.75,64.5 17.15,65.9 34.15,65.9 34.5,65.55 34.5,64.5 34.8,64.2 35.7,64.2 35.9,64.4 39.15,64.4 39.5,64.75 39.5,65 39.75,65.25 45.45,65.25 v2(46.3,64.4) ; 14.5,64.5 16.25,64.5 ; 14.5,89.5 16.25,89.5 ; 14.5,77 16.25,77
  Bottom w0.5: P36.1 14.5,52 ; P47.1 14.5,39.5 ; P69.1 14.5,14.5 ; P3.1 14.5,89.5 ; P80.1 14.5,2 ; P58.1 14.5,27 ; P14.1 14.5,77 ; P25.1 14.5,64.5
